# Altium PCB Napelemes_inverter.PcbDoc (part 1 of 3) (continued)
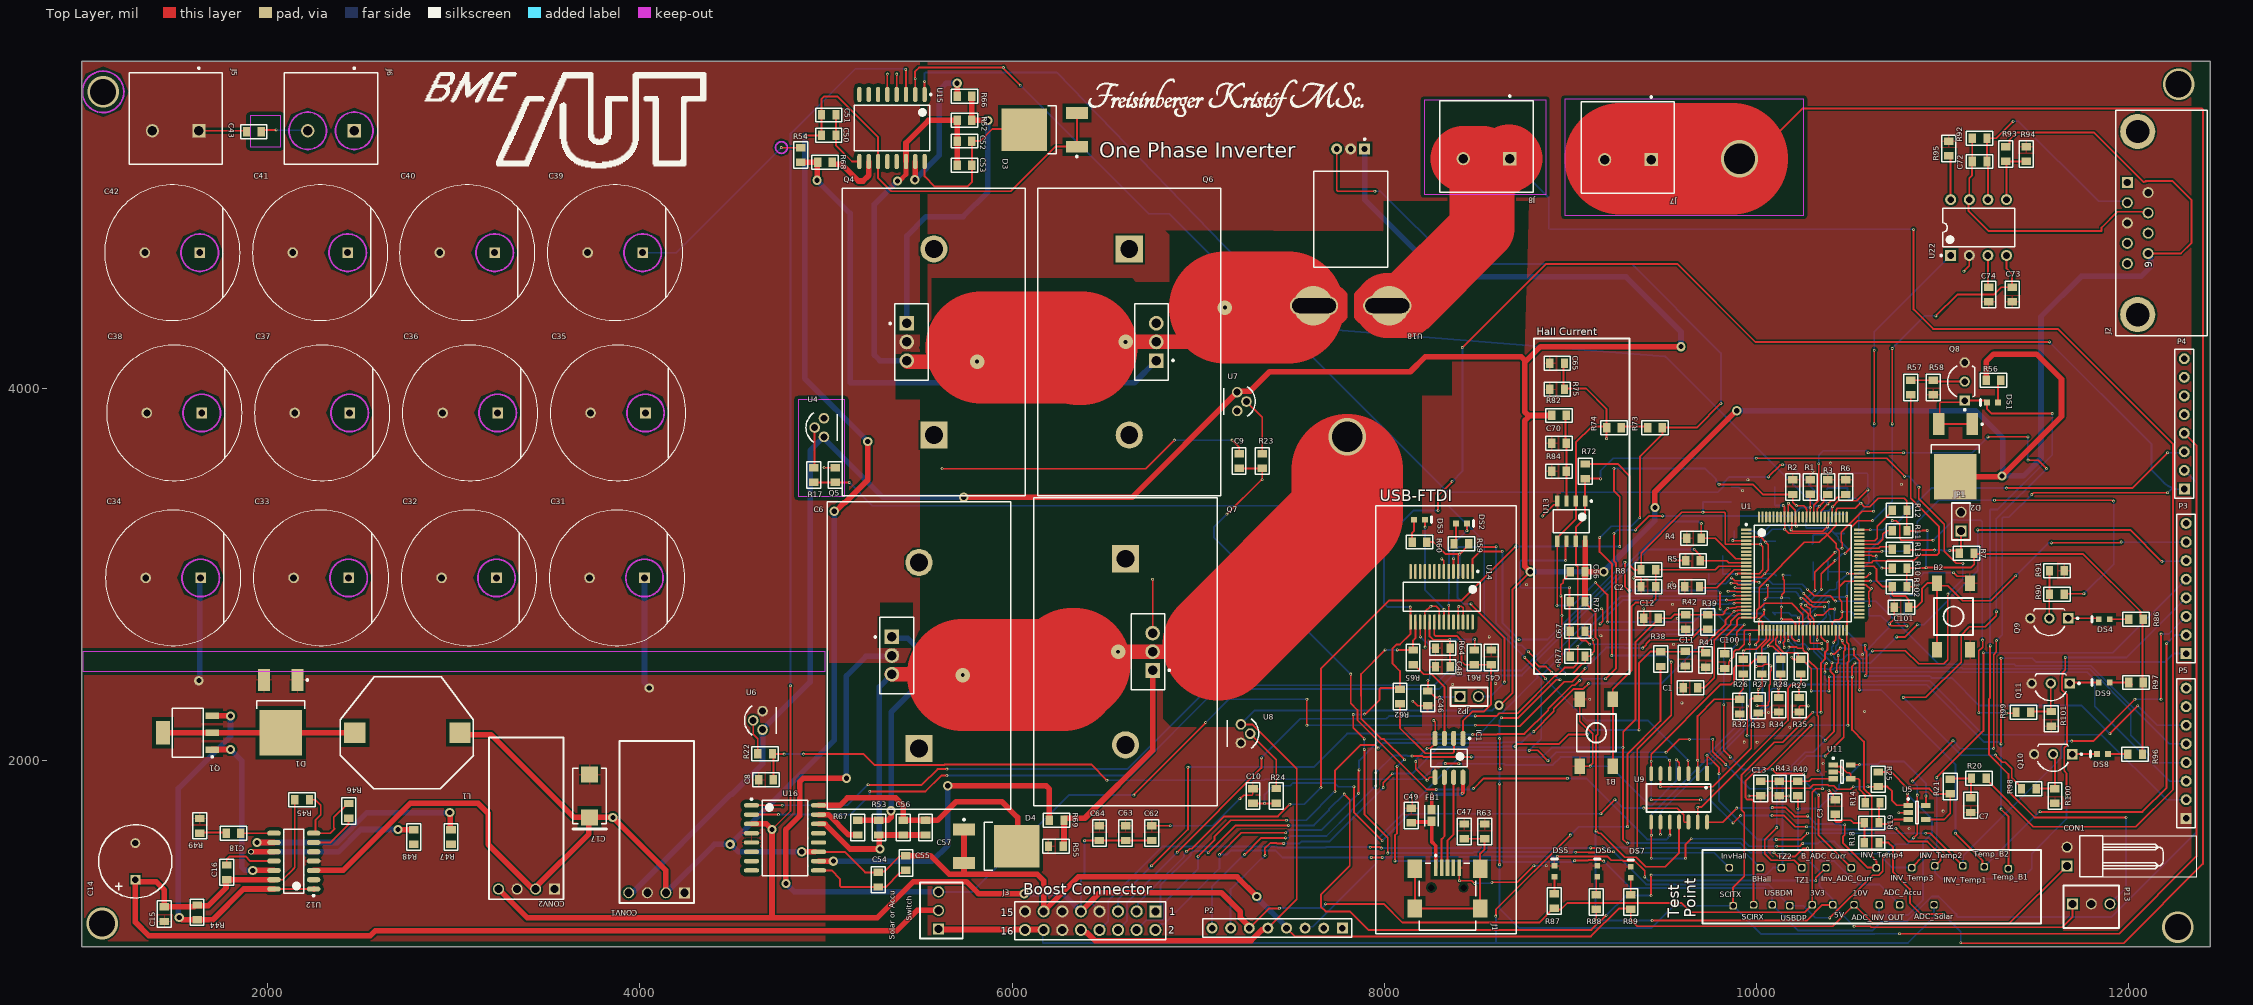
[diagram p0: Top Layer view]
## Components (designator, comment, footprint, x,y, rotation, side; value= is the part's Value field where it differs from the comment) (continued)
R96 "680R" FP_0805_RES 12035.63,2035 r0 top
R97 "680R" FP_0805_RES 12040,2420 r0 top
R98 "1K" FP_0805_RES 11464.37,1850 r0 top
R99 "1K" FP_0805_RES 11435,2260 r0 top
R100 "1K" FP_0805_RES 11605,1810 r90 top
R101 "1K" FP_0805_RES 11585,2225 r90 top
R102 "1K" FP_0805_RES 10770,2935 r0 top
SCIRX "TestPoint" Test_Point#15 9985,1225 r90 top (schematic designator TP9)
SCITX "TestPoint" Test_Point#16 9875,1220 r90 top (schematic designator TP10)
"Solar or Accu" "Comment" FP_CONN3_TAP_254MM 5605,1095 r0 top
Temp_B1 "TestPoint" Test_Point#17 11355,1420 r90 top (schematic designator TP11)
Temp_B2 "TestPoint" Test_Point#18 11225,1430 r90 top (schematic designator TP12)
TZ1 "TestPoint" Test_Point#19 10245,1425 r90 top (schematic designator TP19)
TZ2 "TestPoint" Test_Point#20 10135,1425 r90 top (schematic designator TP20)
U1 "TMS320F28069PZT" PZ0100A_N 10249.8,3005 r0 top
U4 "MCP9700-E/TO" FP-C04-101-MFG 4978.13,3790.19 r0 top
U5 "MCP6001RT-I/OT" SOT-23-OT5_M 10864,1721 r0 top
U6 "MCP9700-E/TO" FP-C04-101-MFG 4647.91,2216.33 r0 top
U7 "MCP9700-E/TO" FP-C04-101-MFG 7221.25,3930 r180 top
U8 "MCP9700-E/TO" FP-C04-101-MFG 7241.25,2145 r180 top
U9 "LM324M" FP_SOIC14 9735,1930 r180 top
U11 "MCP6001RT-I/OT" SOT-23-OT5_M 10460.24,1940 r0 top
U12 "TLE6389-2G V50" INF-PG-DSO-14-1_M 2140,1460.24 r180 top
U13 "LM393DR2G" ONSC-SOIC-8-751-07_V 9005,3287.13 r270 top
U14 "FTDI" SSOP-28_N 8308.52,2881 r270 top
U15 "2EDS8265HXUMA2" EXAR-WSOIC-16_N 5355,5400 r270 top
U16 "2EDS8265HXUMA2" EXAR-WSOIC-16_N 4780,1585 r0 top
U18 "ACS758LCB-050B-PFF-T" FP-CB-5-PFF-MFG 7820,4910 r180 top
U22 "MCP2551-I/P" PDIP300-P8 11194.57,4865 r90 top
USBDM "TestPoint" Test_Point#21 10085,1225 r90 top (schematic designator TP8)
USBDP "TestPoint" Test_Point#22 10180,1220 r90 top (schematic designator TP7)

## Footprints (in the part's own frame and the unit in brackets; to place one, negate y for a bottom-side part, rotate by r counter-clockwise, add the part's x,y. Pads: shape width x height; smd on the part's side, far side on the other; paste and mask are expansions set on the pad)
61301621121 [mm] "Pin Header, pitch 2.54 mm, THT, Vertical, dual row, 16p"
  rect 1.65x1.65 hole 1.1: 1(-8.89,-1.27)
  round 1.65 hole 1.1: 2(-8.89,1.27) 3(-6.35,-1.27) 4(-6.35,1.27) 5(-3.81,-1.27) 6(-3.81,1.27) 7(-1.27,-1.27) 8(-1.27,1.27) 9(1.27,-1.27) 10(1.27,1.27) 11(3.81,-1.27) 12(3.81,1.27) 13(6.35,-1.27) 14(6.35,1.27) 15(8.89,-1.27) 16(8.89,1.27)
  silkscreen extent -10.31,-2.62 10.31,2.62, body extent -10.16,-2.54 10.16,2.54, height 8.59
618009231121 [mm] "9 pins, right angled, 8.08mm, with hex screw"
  rect 1.5x1.5 hole 1: 1(5.54,4.67)
  round 1.5 hole 1: 2(2.77,4.67) 3(0,4.67) 4(-2.77,4.67) 5(-5.54,4.67) 6(4.155,1.83) 7(1.385,1.83) 8(-1.385,1.83) 9(-4.155,1.83)
  round 4.8 hole 3.2: M1(-12.5,3.25) M2(12.5,3.25)
  silkscreen extent -15.4,-6.25 15.4,6.25, body extent -15.4,-12.25 15.4,6.25, height 12.55
AVAG-HSMX-C190_V [mm] "SMD, 2-Leads, Body 1.6x0.8mm, Height 0.9mm"
  rect 0.8x0.8 smd: 1(-0.75,0) 2(0.75,0)
  silkscreen extent 1.65,-0.4 1.65,0.4, body extent -0.8,-0.4 0.8,0.4, height 0.9
Buck_STDN-3A24-ADJ [mm] "4×1 tüskesor"
  rect 1.5x1.5 hole 1.1: 1(0,-3.937)
  round 1.5 hole 1.1: 2(0,-1.397) 3(0,1.143) 4(0,3.683)
  silkscreen extent -1.4,-5.21 20.7,4.96, body extent -1.27,-5.21 1.27,4.95, height 8.54
EXAR-WSOIC-16_N [mm] "SOIC, 16-Leads, Body 10.30x7.50mm, Pitch 1.27mm, IPC Medium Density"
  oval 2.1x0.6 smd: 1(-4.575,4.445) 2(-4.575,3.175) 3(-4.575,1.905) 4(-4.575,0.635) 5(-4.575,-0.635) 6(-4.575,-1.905) 7(-4.575,-3.175) 8(-4.575,-4.445) 9(4.575,-4.445) 10(4.575,-3.175) 11(4.575,-1.905) 12(4.575,-0.635) 13(4.575,0.635) 14(4.575,1.905) 15(4.575,3.175) 16(4.575,4.445)
  silkscreen extent -4.7,-5.15 3.13,5.42, body extent -3.75,-5.15 3.75,5.15, height 2.65
FCI-10033526-N3212LF_V [mm] "SMD, 5-Leads, Body 9.2x7.7mm, Pitch 0.8mm"
  rect 0.5x2.25 smd: 1(-1.6,2.788) 2(-0.8,2.788) 3(0,2.788) 4(0.8,2.788) 5(1.6,2.788)
  rect 2x2.5 smd: 6(-4.45,2.663) 7(4.45,2.663) 8(-4.45,-2.787) 9(4.45,-2.787)
  round 0 hole 0.9 unplated: MH1(-2.2,0.083) MH2(2.2,0.083)
  silkscreen extent -3.85,-5.77 3.85,4.59, body extent -4.95,-5.77 4.95,3.63, height 4.02
FP-BLM18-0_15-t0_5-IPC_A [mil]
  rect 51.42x41.66 smd paste+0 mask+0: 1(-30.55,0) 2(30.55,0)
  silkscreen extent -56,-37 56,37, body extent -76,-41 76,41, height 10
FP-C04-101-MFG [mm]
  round 1.45 hole 0.95 paste-1000 mask+0: 1(0.286,-1.27) 2(-0.984,0) 3(0.286,1.27)
  silkscreen extent -2.17,-2.01 2.13,2.01
FP-CB-5-PFF-MFG [mm]
  rect 1.5x1.5 hole 0.8 paste-1000 mask+0: 1(-1.91,-9.59)
  round 1.5 hole 0.8 paste-1000 mask+0: 2(0,-9.59) 3(1.91,-9.59)
  rrect100% 6.6x2.6 hole 2 slot 6 at 0 deg paste-1000 mask+0: 4(5,11.809) 5(-5,11.809)
  round 5.4 smd paste-1000 mask+0: 4(5.099,11.809) 5(-5.25,11.809)
  round 5.4 smd far side paste-1000 mask+0: 4(5.099,11.809) 5(-5.25,11.809)
  Top Layer region: -0.5,10.151 -1.581,9.166 -3,8.81 -3,8.81 -7,8.809 -8.302,9.107 -9.345,9.939 -9.925,11.142 -9.925,12.477 -9.345,13.68 -8.302,14.512 -7,14.809 -7,14.81 -3,14.81 -1.581,14.453 -0.5,13.468 -0.5,13.468
  Top Layer region: 0.5,13.468 1.581,14.453 3,14.809 3,14.809 7,14.81 8.302,14.512 9.345,13.68 9.925,12.477 9.925,11.142 9.345,9.939 8.302,9.107 7,8.809 7,8.809 3,8.809 1.581,9.166 0.5,10.151 0.5,10.151
  silkscreen extent -5.05,-11.04 5.05,6.55, body extent -10.1,-10.44 10.1,14.91, height 0.25
FP-LXW18X25-MFG [mm]
  rect 1.45x1.45 hole 0.95 paste-1000 mask+0: 1(-3.75,0)
  round 1.45 hole 0.95 paste-1000 mask+0: 2(3.75,0)
  silkscreen extent -9.25,-9.25 9.25,9.25, body extent -9.35,-9.35 9.35,9.35, height 0.25
FP-TO-220AB-MFG [mm]
  rect 2x2 hole 1.3 paste-1000 mask+0: 1(-0.647,2.55)
  rect 3.7x3.7 hole 2.45 paste-1000 mask+0: 1(3.048,-12.7)
  round 2 hole 1.3 paste-1000 mask+0: 2(-0.647,0) 3(-0.647,-2.55)
  round 3.7 hole 2.45 paste-1000 mask+0: 2(3.048,12.7)
  Top Layer region: 12.816,-13.418 12.816,-13.418 12.816,-13.418 12.816,-13.418
  Top Layer region: 12.816,-13.418 12.816,-13.418 12.816,-13.418 12.816,-13.418
  Top Layer region: 12.816,-13.418 12.816,-13.418 12.816,-13.418 12.816,-13.418
  silkscreen extent -9.45,-21 15.55,21, body extent -9.55,-21.1 15.65,21.1, height 0.25
FP_0805_CAP_085 [mm] "0805 kapacitás YAGEO 0.85mm magas"
  rect 1x1.3 smd: 1(-1,0) 2(1,0)
  silkscreen extent -1.8,-0.95 1.8,0.95, body extent -1,-0.64 1.03,0.64, height 0.85
FP_0805_RES [mm] "0805 ellenállás"
  rect 1x1.3 smd: 1(-1,0) 2(1,0)
  silkscreen extent -1.8,-0.95 1.8,0.95, body extent -1,-0.62 1,0.63, height 0.62
FP_BTN_SMD [mm] "SMD Push Button 6x6mm"
  rect 1.4x2.1 smd: 1(2.25,4.55) 2(2.25,-4.55) 3(-2.25,4.55) 4(-2.25,-4.55)
  silkscreen extent -2.67,-2.54 2.67,2.54, body extent -3,-5 3,5, height 5.1
FP_CONN2_TAP_254MM_90 [mm] "fekvõ két pólusú tápcsatlakozó 2.54mm"
  rect 1.5x1.5 hole 1.1: 1(0,0)
  round 1.5 hole 1.1: 2(0,2.54)
  silkscreen extent 1.7,-1.53 17.7,4.07, body extent -0.33,-1.3 13.5,3.78, height 5.8
FP_CONN2_TUSKE_254MM [mm] "2×1 tüskesor"
  rect 1.5x1.5 hole 1.1: 1(0,0)
  round 1.5 hole 1.1: 2(0,2.54)
  silkscreen extent -1.27,-1.27 1.27,3.81, body extent -1.27,-1.27 1.27,3.81, height 8.54
FP_CONN3_TAP_254MM [mm] "álló három pólusú tápcsatlakozó 2.54mm"
  rect 1.5x1.5 hole 1.1: 1(0,0)
  round 1.5 hole 1.1: 2(0,2.54) 3(0,5.08)
  silkscreen extent -2.54,-1.27 3.3,6.35, body extent -2.52,-1.27 3.28,6.35, height 11.56
FP_SOIC14 [mil] "SOIC-14 egyesek szerint narrow, RET szerint normál"
  rect 20x80 smd: 1(0,0)
  oval 20x80 smd: 2(50,0) 3(100,0) 4(150,0) 5(200,0) 6(250,0) 7(300,0) 8(300,260) 9(250,260) 10(200,260) 11(150,260) 12(100,260) 13(50,260) 14(0,260)
  silkscreen extent -20,55 325,205, body extent -22,10 322,248, height 63
HDR1X8 [mm] "Connector; Header; 8 Position"
  rect 1.5x1.5 hole 0.9: 1(0,0)
  round 1.5 hole 0.9: 2(2.54,0) 3(5.08,0) 4(7.62,0) 5(10.16,0) 6(12.7,0) 7(15.24,0) 8(17.78,0)
  silkscreen extent -1.27,-1.27 19.05,1.27
"INF-P-DSO-8-3_M - duplicate1" [mm] "SOP, 8-Leads, Body 4.9x3.9mm, Pitch 1.27mm, IPC Low Density"
  oval 2.1x0.7 smd: 1(-2.65,1.905) 2(-2.65,0.635) 3(-2.65,-0.635) 4(-2.65,-1.905) 5(2.65,-1.905) 6(2.65,-0.635) 7(2.65,0.635) 8(2.65,1.905)
  silkscreen extent -2.77,-2.5 1.2,2.93, body extent -2,-2.5 2,2.5, height 1.75
INF-PG-DSO-14-1_M [mm] "SOP, 14-Leads, Body 8.65x3.9mm, Pitch 1.27mm, IPC Low Density"
  oval 1.85x0.7 smd: 1(-2.7,3.81) 2(-2.7,2.54) 3(-2.7,1.27) 4(-2.7,0) 5(-2.7,-1.27) 6(-2.7,-2.54) 7(-2.7,-3.81) 8(2.7,-3.81) 9(2.7,-2.54) 10(2.7,-1.27) 11(2.7,0) 12(2.7,1.27) 13(2.7,2.54) 14(2.7,3.81)
  silkscreen extent -2.83,-4.38 1.38,4.83, body extent -2,-4.38 2,4.38, height 1.75
INF-PG-SOT223_SC-73_M [mm] "SOT223, 4-Leads, Body 6.5x3.5mm, Pitch 2.3mm, IPC Low Density"
  rect 1.9x0.9 smd: 1(-3.35,2.3) 2(-3.35,0) 3(-3.35,-2.3)
  rect 1.9x3.2 smd: 4(3.35,0)
  silkscreen extent -3.48,-3.35 2.1,3.42, body extent -1.85,-3.35 1.85,3.35, height 1.8
KEMT-7343-43_L [mm] "Molded Capacitor, 2-Leads, Body 7.6x4.6mm, IPC High Density"
  rect 2.2x2.35 smd: 1(-2.925,0) 2(2.925,0)
  silkscreen extent -4.52,-2.3 3.8,2.3, body extent -3.8,-2.3 3.8,2.3, height 4.3
NIC-UVR-10x12.5-2_V [mm] "TH, 2-Leads, Dia 10mm, Body Length 14mm, Pitch 5mm"
  rect 1.35x1.35 hole 0.85: 1(-2.5,0)
  round 1.35 hole 0.85: 2(2.5,0)
  silkscreen extent -5,-5 5,5, body extent -5,-5 5,5, height 14
ONSC-DPAK-3-369C-01_V [mm] "DPAK, 3-Leads, Body 6.54x6.095mm, Pitch 2.29mm"
  rect 3x1.6 smd: 1(-4.4,2.29) 3(-4.4,-2.29)
  rect 6.2x5.8 smd: 4(2.8,0)
  silkscreen extent -4.52,-3.27 -0.45,3.77, body extent -1.6,-3.27 4.49,3.27, height 2.38
ONSC-SOIC-8-751-07_V [mm] "SOIC, 8-Leads, Body 4.9x3.9mm, Pitch 1.27mm"
  rect 1.52x0.6 smd: 1(-2.74,1.905) 2(-2.74,0.635) 3(-2.74,-0.635) 4(-2.74,-1.905) 5(2.74,-1.905) 6(2.74,-0.635) 7(2.74,0.635) 8(2.74,1.905)
  silkscreen extent -2.86,-2.45 1.58,2.88, body extent -1.95,-2.45 1.95,2.45, height 1.75
ONSC-TO-92-3-29-11_AM_BL [mm] "TO, 3-Leads, Body Dia 4.7mm, Pitch 2.6mm"
  rect 1.4x1.4 hole 0.9: 1(-2.6,0)
  round 1.4 hole 0.9: 2(0,0) 3(2.6,0)
  silkscreen extent -3.97,-1.34 2.13,2.35, body extent -2.84,-1.34 2.84,2.35, height 5.33
PDIP300-P8 [mm] "8-Pin Plastic Dual In-Line Package (PDIP)"
  rect 1.5x1.5 hole 0.9: 1(-3.81,3.81)
  round 1.5 hole 0.9: 2(-3.81,1.27) 3(-3.81,-1.27) 4(-3.81,-3.81) 5(3.81,-3.81) 6(3.81,-1.27) 7(3.81,1.27) 8(3.81,3.81)
  silkscreen extent -3.93,-4.9 2.65,5.23, body extent -3.55,-4.9 3.55,4.9, height 4.32
PZ0100A_N [mm] "QFP,100-Leads, Body 14x14mm, Pitch 0.5mm, IPC Medium Density"
  rrect33% 1.45x0.3 smd: 1(-7.725,6) 2(-7.725,5.5) 3(-7.725,5) 4(-7.725,4.5) 5(-7.725,4) 6(-7.725,3.5) 7(-7.725,3) 8(-7.725,2.5) 9(-7.725,2) 10(-7.725,1.5) 11(-7.725,1) 12(-7.725,0.5) 13(-7.725,0) 14(-7.725,-0.5) 15(-7.725,-1) 16(-7.725,-1.5) 17(-7.725,-2) 18(-7.725,-2.5) 19(-7.725,-3) 20(-7.725,-3.5) 21(-7.725,-4) 22(-7.725,-4.5) 23(-7.725,-5) 24(-7.725,-5.5) 25(-7.725,-6) 51(7.725,-6) 52(7.725,-5.5) 53(7.725,-5) 54(7.725,-4.5) 55(7.725,-4) 56(7.725,-3.5) 57(7.725,-3) 58(7.725,-2.5) 59(7.725,-2) 60(7.725,-1.5) 61(7.725,-1) 62(7.725,-0.5) 63(7.725,0) 64(7.725,0.5) 65(7.725,1) 66(7.725,1.5) 67(7.725,2) 68(7.725,2.5) 69(7.725,3) 70(7.725,3.5) 71(7.725,4) 72(7.725,4.5) 73(7.725,5) 74(7.725,5.5) 75(7.725,6)
  rrect33% 0.3x1.45 smd: 26(-6,-7.725) 27(-5.5,-7.725) 28(-5,-7.725) 29(-4.5,-7.725) 30(-4,-7.725) 31(-3.5,-7.725) 32(-3,-7.725) 33(-2.5,-7.725) 34(-2,-7.725) 35(-1.5,-7.725) 36(-1,-7.725) 37(-0.5,-7.725) 38(0,-7.725) 39(0.5,-7.725) 40(1,-7.725) 41(1.5,-7.725) 42(2,-7.725) 43(2.5,-7.725) 44(3,-7.725) 45(3.5,-7.725) 46(4,-7.725) 47(4.5,-7.725) 48(5,-7.725) 49(5.5,-7.725) 50(6,-7.725) 76(6,7.725) 77(5.5,7.725) 78(5,7.725) 79(4.5,7.725) 80(4,7.725) 81(3.5,7.725) 82(3,7.725) 83(2.5,7.725) 84(2,7.725) 85(1.5,7.725) 86(1,7.725) 87(0.5,7.725) 88(0,7.725) 89(-0.5,7.725) 90(-1,7.725) 91(-1.5,7.725) 92(-2,7.725) 93(-2.5,7.725) 94(-3,7.725) 95(-3.5,7.725) 96(-4,7.725) 97(-4.5,7.725) 98(-5,7.725) 99(-5.5,7.725) 100(-6,7.725)
  silkscreen extent -7.85,-6.6 6.6,6.82, body extent -8,-8 8,8, height 1.6
SOT-23-OT5_M [mm] "SOT23, 5-Leads, Body 2.9x1.7mm, Pitch 0.95mm, Lead Span 2.8mm, IPC Low Density"
  rect 1.3x0.7 smd: 1(-1.2,0.95) 2(-1.2,0) 3(-1.2,-0.95) 4(1.2,-0.95) 5(1.2,0.95)
  silkscreen extent -1.32,-1.55 0.15,1.97, body extent -0.9,-1.55 0.9,1.55, height 1.45
SSOP-28_N [mm] "SOP, 28-Leads, Body 10.2x5.3mm, Pitch 0.65mm, IPC Medium Density"
  oval 2.1x0.35 smd: 1(-3.45,4.225) 2(-3.45,3.575) 3(-3.45,2.925) 4(-3.45,2.275) 5(-3.45,1.625) 6(-3.45,0.975) 7(-3.45,0.325) 8(-3.45,-0.325) 9(-3.45,-0.975) 10(-3.45,-1.625) 11(-3.45,-2.275) 12(-3.45,-2.925) 13(-3.45,-3.575) 14(-3.45,-4.225) 15(3.45,-4.225) 16(3.45,-3.575) 17(3.45,-2.925) 18(3.45,-2.275) 19(3.45,-1.625) 20(3.45,-0.975) 21(3.45,-0.325) 22(3.45,0.325) 23(3.45,0.975) 24(3.45,1.625) 25(3.45,2.275) 26(3.45,2.925) 27(3.45,3.575) 28(3.45,4.225)
  silkscreen extent -3.57,-5.25 2,5.25, body extent -2.8,-5.25 2.8,5.25, height 2
"Tekercs_B82479-A1473-M - duplicate" [mm]
  rect 2.92x2.85 smd: 1(-7.19,0) 2(7.19,0)
  silkscreen extent -9.18,-7.62 9.05,7.62
Terminal-PHOE-1714955_V [mm] "Terminal Block, 2-Leads, Body 12.7x12.5mm, Pitch 6.35mm"
  rect 1.8x1.8 hole 1.3: 1(-3.175,0)
  round 1.8 hole 1.3: 2(3.175,0)
  silkscreen extent -6.35,-8.67 6.35,4.6, body extent -6.92,-7.9 6.35,4.6, height 21.51
Test_Point#1 [mil]
  rrect50% 40x40 hole 30: 6(0,0)
Test_Point#2 [mil]
  rrect50% 40x40 hole 30: 5(0,0)
Test_Point#3 [mil]
  rrect50% 40x40 hole 30: 4(0,0)
Test_Point#4 [mil]
  rrect50% 40x40 hole 30: 2(0,0)
Test_Point#5 [mil]
  rrect50% 40x40 hole 30: 3(0,0)
Test_Point#6 [mil]
  rrect50% 40x40 hole 30: 1(0,0)
Test_Point#7 [mil]
  rrect50% 40x40 hole 30: 18(0,0)
Test_Point#8 [mil]
  rrect50% 40x40 hole 30: 21(0,0)
Test_Point#9 [mil]
  rrect50% 40x40 hole 30: 17(0,0)
Test_Point#10 [mil]
  rrect50% 40x40 hole 30: 13(0,0)
Test_Point#11 [mil]
  rrect50% 40x40 hole 30: 14(0,0)
Test_Point#12 [mil]
  rrect50% 40x40 hole 30: 15(0,0)
Test_Point#13 [mil]
  rrect50% 40x40 hole 30: 16(0,0)
Test_Point#14 [mil]
  rrect50% 40x40 hole 30: 23(0,0)
Test_Point#15 [mil]
  rrect50% 40x40 hole 30: 9(0,0)
Test_Point#16 [mil]
  rrect50% 40x40 hole 30: 10(0,0)
Test_Point#17 [mil]
  rrect50% 40x40 hole 30: 11(0,0)
Test_Point#18 [mil]
  rrect50% 40x40 hole 30: 12(0,0)
Test_Point#19 [mil]
  rrect50% 40x40 hole 30: 19(0,0)
Test_Point#20 [mil]
  rrect50% 40x40 hole 30: 20(0,0)
Test_Point#21 [mil]
  rrect50% 40x40 hole 30: 8(0,0)
Test_Point#22 [mil]
  rrect50% 40x40 hole 30: 7(0,0)

## Part data
3V3 5V 10V ADC_Accu ADC_INV_OUT ADC_Solar B_ADC_Curr BHall Inv_ADC_Curr INV_Temp1 INV_Temp2 INV_Temp3 INV_Temp4 InvHall SCIRX SCITX Temp_B1 Temp_B2 TZ1 TZ2 USBDM USBDP: "Test Point"
B1 B2: library part "Button 4P", "Push button"
C1 C2 C3 C6 C7 C8 C9 C10 C11 C12 C13 C15 C16 C18 C43 C45 C46 C47 C48 C49 C50 C51 C52 C53 C54 C55 C56 C57 C62 C63 C64 C65 C66 C67 C70 C72 C73 C74 C75 C76 C77 C78 C79 C80 C81 C82 C83 C84 C85 C86 C87 C88 C89 C90 C91 C92 C93 C94 C95 C96 C97 C98 C99 C100 C101: library part CAP, "Capacitor"
C14: library part CMP-1217-00001-1, "Aluminum Electrolytic Capacitor, 63 V, -40 to 85 degC, 2-Pin CAP, RoHS", Capacitance Tolerance=+/-20%, Manufacturer=Nichicon, Operating Temperature="-40 to 85 degC", PartNumber=UVR1J101MPD1TD, Rated Voltage="63 V", ComponentLink1Description="Manufacturer URL", ComponentLink1URL=http://www.nichicon.co.jp/, ComponentLink2Description=Datasheet, ComponentLink2URL=https://il.farnell.com/teapo/ksy107m063s1g5h1ck/cap-100-f-63v-20/dp/2901348?st=100%20uf%20electrolyte%20capacitor, ComponentLink3Description="Package Specification", ComponentLink3URL=https://il.farnell.com/teapo/ksy107m063s1g5h1ck/cap-100-f-63v-20/dp/2901348?st=100%20uf%20electrolyte%20capacitor, DatasheetVersion=Sep-13, Mounting Technology="Through Hole", PackageDescription="2-Pin Through Hole Package, Dia 10 mm, Body Length 12.5 mm, Pitch 5 mm", Packing=Bulk, Rated Capacitance="100 uF", Rated Ripple@85 degC 120 Hz="300 mA", RoHS=TRUE
C17: library part CMP-2000-07204-1, "Tantalum Surface Mount Capacitor, 100 uF, 25 V, -55 to 125 degC, 2-Pin Molded, RoHS, Tape and Reel", Capacitance=100µF, ESR (Equivalent Series Resistance)=300mOhm, Lifetime @ Temp.=2000Hrs@85°C, Manufacturer=Kemet, Manufacturer Size Code=X, Operating Temperature=-55°C~125°C, Package / Case=2917(7343Metric), Package Description="2-Pin Molded Capacitor, Body 7.3 x 4.3 mm", Package Reference=Molded, Standard Package=1, Tolerance=±10%, Voltage - Rated=25V, Category=Capacitors, Datasheet URL=https://ciiva.com/datasheet-click-3798150?src=ciiva&sig=eb1f20b4, Datasheet Version=12/2015, EDA / CAD Models=DownloadfromAcceleratedDesigns, Family=TantalumCapacitors, Features=GeneralPurpose, Height - Seated (Max)="0.169\"(4.30mm)", Lead Spacing=-, Manufacturer URL=http://www.kemet.com/, Mounting Technology=SurfaceMount, Mounting Type=SurfaceMount, Online Catalog=T491Series, Other Names=399-8410-6, Packaging=Digi-Reel®, Product Training Modules=CapacitorBasics-TypicalUsesforCapacitors, Series=T491, Size / Dimension="0.287\"Lx0.169\"W(7.30mmx4.30mm)", Type=Molded
C31 C32 C33 C34 C35 C36 C37 C38 C39 C40 C41 C42: library part CMP-35376-000008-1, "CAP ALUM 47UF 20% 500V THRUHOLE / 500LXW47MEFR18X25"
CON1: library part Connector_2pin, "2pin connector", Reference=100.240.80, Supplier=hestore
D1 D2 D3 D4: library part CMP-1055-00192-1, "SWITCHMODE(TM) Power Rectifier, 3-Pin DPAK, Pb-Free, Tape and Reel", Manufacturer="On Semiconductor", ComponentLink1Description="Manufacturer URL", ComponentLink1URL=http://www.onsemi.com/, ComponentLink2Description=Datasheet, ComponentLink2URL=http://www.onsemi.com/pub_link/Collateral/MBRD320-D.PDF, ComponentLink3Description="Package Specification", ComponentLink3URL=http://www.onsemi.cn/pub_link/Collateral/369C.PDF, Configuration=Single, DatasheetVersion="Rev. 8", IFSM Max (A)=75, Mounting Technology="Surface Mount", PackageDescription="3-Pin Flange Mount, Body 6.54 x 6.095 mm, Pitch 2.29 mm", PackageReference=DPAK-3-369C-01, PackageVersion="Rev. E, 02/2014", Packing="Tape and Reel", PartNumber=MBRD360T4G, RoHS=TRUE
DS1: library part LED_G_CMP-1744-00002-1_1, "Chip LED, Green, 2.2 V, -40 to 85 degC, 2-Pin SMD, RoHS, Tape and Reel", Case\Package=SOIC, Clock Frequency="100 KHz", Frequency="400 KHz", Max Operating Temperature="85 degC", Max Supply Voltage="5.5 V", Min Operating Temperature="-40 degC", Min Supply Voltage="1.7 V", Nominal Supply Current="2 mA", Package Quantity=3000, Access Time="3500 ns", ComponentLink1Description="Manufacturer URL", ComponentLink1URL=http://www.avagotech.com/, ComponentLink2Description=Datasheet, ComponentLink2URL=http://docs.avagotech.com/docs/AV02-0551EN, ComponentLink3Description="Package Specification", ComponentLink3URL=http://www.fairchildsemi.com/dwg/MA/MA03D.pdf, DatasheetVersion=Mar-12, Density="32 kb", Height="1.5 mm", Interface=Serial, Length="5 mm", Max Clock Frequency="100 KHz", Mount="Surface Mount", PackageDescription="2-Pin Surface Mount Device, Body 1.6 x 0.8 mm, Height 0.9 mm", PackageReference=HSMX-C190, Packaging="Tape and Reel", Pins=8, Radiation Hardening=No, REACH SVHC="No SVHC", RoHSCompliant=true, Width="4 mm"
DS2 DS5 DS6 DS7: library part LED_G_CMP-1744-00002-1, "Chip LED, Green, 2.2 V, -40 to 85 degC, 2-Pin SMD, RoHS, Tape and Reel", Case\Package=SOIC, Clock Frequency="100 KHz", Frequency="400 KHz", Max Operating Temperature="85 degC", Max Supply Voltage="5.5 V", Min Operating Temperature="-40 degC", Min Supply Voltage="1.7 V", Nominal Supply Current="2 mA", Package Quantity=3000, Access Time="3500 ns", ComponentLink1Description="Manufacturer URL", ComponentLink1URL=http://www.avagotech.com/, ComponentLink2Description=Datasheet, ComponentLink2URL=http://docs.avagotech.com/docs/AV02-0551EN, ComponentLink3Description="Package Specification", ComponentLink3URL=http://www.fairchildsemi.com/dwg/MA/MA03D.pdf, DatasheetVersion=Mar-12, Density="32 kb", Height="1.5 mm", Interface=Serial, Length="5 mm", Max Clock Frequency="100 KHz", Mount="Surface Mount", PackageDescription="2-Pin Surface Mount Device, Body 1.6 x 0.8 mm, Height 0.9 mm", PackageReference=HSMX-C190, Packaging="Tape and Reel", Pins=8, Radiation Hardening=No, REACH SVHC="No SVHC", RoHSCompliant=true, Width="4 mm"
DS3 DS4 DS8 DS9: library part RED-CMP-2000-06427-1, "LED Uni-Color Red, 52 mW, 20 mA, -40 to 85 degC, 2-Pin SMD, RoHS, Tape and Reel", Emitting Color=Red, Forward Current=25mA, Forward Voltage=2.6V, Manufacturer=Avago, Operating Temp Range=-40Cto85C, Operating Temperature Classification=Industrial, Package Description="2-Pin Surface Mount Device, Body 1.6 x 0.8 mm, Height 0.9 mm", Package Reference=HSMX-C190, Package Type=ChipLed, Power Dissipation=52W, Reverse Voltage=5V, Test Current (It)=20mA, Chip Material=GaP, Datasheet URL=http://docs.avagotech.com/docs/AV02-0551EN, Datasheet Version=03/2012, DELETED=Compliant, Dominant Wave Length=626nm, High Brightness=No, Lens Dimensions=1x0.8x0.5mm, Lens Type=ColorlessDiffused, Lum Intensity=10mcd, Luminous Intensity=10mcd, Main Category=ChipLED, Manufacturer URL=http://www.avagotech.com/, Mounting=SurfaceMount, Mounting Technology=SurfaceMount, Number of  Elements=1, Packaging=TapeandReel, Peak Wavelength=630nm, Pin Count=2, Product Depth (mm)=0.8mm, Product Height (mm)=0.8mm, Product Length (mm)=1.6mm, Rad Hardened=No, Shape Type=Rectangular, Type=Uni-Color, Viewing Angle=170deg
FB1: library part CMP-0686-00596-3, "Chip Ferrite Bead, 0603, 220Ω @ 100MHz, 25%, 0.04Ω, 2.5A", Case Code (Imperial)=0603, Case Code (Metric)=1608, Current Rating=2.5A, DC Resistance (DCR)=40mR, Max Operating Temperature=125°C, Min Operating Temperature=-55°C, Package Quantity=1, Test Frequency=100MHz, Tolerance=25%, Case/Package=0603, Core Material=Ferrite, DC Current=2.5A, DC Resistance-Max=40mR, Depth=0.95mm, Height=0.8mm, Impedance=220R, Lead Free="Lead Free", Length=1.6mm, Material=Ferrite, Max Current Rating=2.5A, Max DC Current=2.5A, Number of Circuits=1, Number of Lines=1, Number of Pins=2, Packaging="Tape and Reel", Radiation Hardening=No, REACH SVHC="No SVHC", RoHS Compliant=Yes, Series=BLM18S, Termination=SMD/SMT, Weight=7.1E-05oz, Width=0.8mm
IC1: "Clamp Ipp Tvs Diode Surface Mount 8-SO", Package="SOIC-8 STMicroelectronics", Availability=Unavailable, MF=STMicroelectronics, MP=USB6B1, Price=None, SnapEDA_Link=https://www.snapeda.com/parts/USB6B1/STMicroelectronics/view-part/51146/?ref=snap
J1: library part USB_MIN_CMP-1698-00001-3, "Mini USB B-Type, 5-Pin SMD, RoHS, Tape and Reel / 10033526-N3212LF", Package Quantity=1, PartNumber=10033526-N3212LF, ComponentLink1Description="Manufacturer URL", ComponentLink1URL=http://portal.fciconnect.com/, ComponentLink2Description=Datasheet, ComponentLink2URL=http://portal.fciconnect.com/Comergent//fci/drawing/10033526.pdf, DatasheetVersion="Rev. N", Height="4 mm", Length="9.9 mm", Mount="Surface Mount", Mounting Technology="Surface Mount", PackageDescription="5-Pin Surface Mount Device, Body 9.2 x 7.7 mm, Pitch 0.8 mm", Packaging="Tape and Reel", Pins=5, RoHSCompliant=True
J2: library part CMP-1502-00200-1, "Female PCB Connector with Hex Screw WR-DSUB, 8.08 mm, Angled, 9 pins", Contact Resistance=30mOhm, Manufacturer="Wurth Elektronik", Operating Temperature=-40to85degC, Rated Current=3A, Working Voltage=125VAC, Datasheet URL=https://katalog.we-online.de/em/datasheet/6180xx231121.pdf, Gender=Female, Manufacturer URL=http://www.we-online.de, Mounting Technology=THT, Orientation=Angled, Package Reference=618009231121, Packaging=Tray, Part Number=618009231121, Pin Number=9, Publisher=WurthElektronik
J3: library part CMP-1502-01097-1, "THT Vertical Pin Header WR-PHD, Pitch 2.54 mm, Dual Row, 16 pins", Contact Resistance=20mOhm, Manufacturer="Wurth Elektronik", Operating Temperature=-40to105degC, Rated Current=3A, Withstanding Voltage=500VAC, Working Voltage=250VAC, Datasheet URL=https://katalog.we-online.de/em/datasheet/6130xx21121.pdf, Gender=Male, Manufacturer URL=http://www.we-online.de, Mounting Technology=THT, Orientation=Vertical, Package Reference=61301621121, Packaging=Bag, Part Number=61301621121, Pin Number=16, Pitch=2.54mm, Publisher=WurthElektronik, Row Number=Dual
J5 J6 J7 J8: library part Terminal-CMP-2000-05797-1, "PC Terminal Block, Pitch 6.35 mm, 1 x 2 Position, Height 21.5 mm, Tail Lenght 5.1 mm, RoHS, Bulk", Manufacturer="Phoenix Contact", Package Description="PC Terminal Block, Pitch 6.35 mm, 1 x 2 Position, Height 21.5 mm, Tail Lenght 5.1 mm", Datasheet URL=http://media.digikey.com/pdf/Data%20Sheets/Phoenix%20Contact%20PDFs/1714955.pdf, Datasheet Version=02/2010, Manufacturer URL=http://www.phoenixcontact.com/, Mounting Technology=ThroughHole, Package Reference=1714955
JP1 JP2: "Jumper Wire"
L1: library part Inductor_B82479A1473M000, "Inductor Power Wirewound 47uH 20% 100KHz Ferrite 2.6A 87mOhm DCR Automotive T/R", Case/Package=SMD/SMT, Current Rating=2.6A, DC Resistance (DCR)=87mR, Inductance=47uH, Inductance Tolerance=20%, Inductor Type="POWER INDUCTOR", Manufacturer="TDK EPCOS", Manufacturer Part Number=B82479A1473M000, Max Operating Temperature=150°C, Min Operating Temperature=-55°C, Package Quantity=250, Saturation Current=4.5A, Self Resonant Frequency=100kHz, Category="Fixed Inductors", ComponentLink1Description=https://datasheet.ciiva.com/6692/b82479a1-6692885.pdf?src-supplier=Digi-Key, ComponentLink1URL=https://datasheet.ciiva.com/6692/b82479a1-6692885.pdf?src-supplier=Digi-Key, ComponentLink2Description=https://datasheet.ciiva.com/22683/1899175-22683671.pdf?src-supplier=Element14, ComponentLink2URL=https://datasheet.ciiva.com/22683/1899175-22683671.pdf?src-supplier=Element14, ComponentLink3Description=https://datasheet.ciiva.com/22683/1899175-22683672.pdf?src-supplier=Element14, ComponentLink3URL=https://datasheet.ciiva.com/22683/1899175-22683672.pdf?src-supplier=Element14, ComponentLink4Description=https://datasheet.ciiva.com/28652/b82479a1-28652056.pdf?src-supplier=Element14, ComponentLink4URL=https://datasheet.ciiva.com/28652/b82479a1-28652056.pdf?src-supplier=Element14, Core Material=Ferrite, DC Current=2.6A, Depth=15.24mm, Height=7.11mm, Lead Free="Lead Free", Length=18.54mm, Max DC Current=2.6A, Military Standard=Not, Mount="Surface Mount", Number of Pins=2, Packaging="Tape and Reel", REACH SVHC="No SVHC", RMS Current (Irms)=2.6A, RoHS=Yes, RoHS Compliant=Yes, Series=B82479A1, Shielding=Unshielded, Stock 1=25, Supplier 1=Farnell, Termination=SMD/SMT, Test Frequency=100kHz, Tolerance=20%, Weight=0.105822oz, Width=0.6inch
P2 P3 P4 P5: "Header, 8-Pin", LatestRevisionDate=17-Jul-2002, LatestRevisionNote="Re-released for DXP Platform.", Publisher="Altium Limited", Reference=100.240.95, Supplier=hestore
P13: library part Connector_3pin, "3pin connector"
Q1: library part CMP-1099-00021-1, "P-Channel SIPMOS Small-Signal-Transistor, -60 V VDS, -2.9 A ID, -55 to 150 degC, PG-SOT223 (SC-73), Reel, Green", Manufacturer=Infineon, ComponentLink1Description="Manufacturer URL", ComponentLink1URL=http://www.infineon.com/, ComponentLink2Description=Datasheet, ComponentLink2URL=http://www.infineon.com/dgdl/BSP613P_Rev2.7.pdf?folderId=db3a304314dca38901154a72e3951a65&fileId=db3a30433b47825b013b60ac86a96dc0, ComponentLink3Description="Package Specification", ComponentLink3URL=http://www.infineon.com/dgdl/SOT223-Package_Overview.pdf?folderId=db3a30431936bc4b0119530470b03c3d&fileId=db3a30431936bc4b0119531d40b93c5c, DatasheetVersion="Rev. 2.7", Green=TRUE, Halogen-free=TRUE, ID (max)="-2.9Â A", IDpuls (max)="-11.6Â A", Mode=Enhancement, Mounting Technology="Surface Mount", PackageDescription="4-Pin Small Outline Transistor Package, 6.5 x 3.5 mm Body, 2.3 mm Pitch", PackageReference="PG-SOT223 (SC-73)", PackageVersion=Apr-08, Packing=Reel, PartNumber=BSP613P, Polarity=P, Pto t (max)="1.8Â W", QG="-22Â nC", RDS (on) (max)="130Â mOhm", Rth="100Â K/W", Technology=SIPMOS, VDS (max)="-60Â V", VGS(th) (max)="-4Â V", VGS(th) (min)="-2.1Â V"
Q4 Q5 Q6 Q7: library part NMOS-2, "N-channel 100 V 8.5 mΩ standard level MOSFET in TO220", ComponentLink1Description="Manufacturer Link", ComponentLink1URL=http://www.irf.com/, DatasheetVersion=PD-9.814, LatestRevisionDate=17-Jul-2002, LatestRevisionNote="Re-released for DXP Platform.", Note="Pin 2 is electrically connected to pin 4.", PackageDescription="TO, Thru-Hole, Vertical, Heatsink Mounted; 3 In-Line Leads; Pitch 2.54 mm", PackageReference=TO-220AB, PackageVersion=Feb-1997, Published=8-Jun-2000, Publisher="Altium Limited"
Q8: library part CMP-1048-01603-1, "Amplifier Transistor, NPN Silicon, 3-Pin TO-92, Pb-Free, Tape and Reel", Manufacturer="On Semiconductor", ComponentLink1Description="Manufacturer URL", ComponentLink1URL=http://www.onsemi.com/, ComponentLink2Description=Datasheet, ComponentLink2URL=http://www.onsemi.com/pub_link/Collateral/BC546-D.PDF, ComponentLink3Description="Package Specification", ComponentLink3URL=http://www.onsemi.com/pub_link/Collateral/MAC97-D.PDF, DatasheetVersion="Rev. 7", fT Min (MHz)=150, IC Continuous (A)=0.1, Mounting Technology="Through Hole", PackageDescription="3-Pin Transistor Outline, Body 4.825 x 3.685 mm, Pitch 1.27 mm", PackageReference=TO-92-3-29-11_AM_BL, PackageVersion="Rev. AM", Packing="Tape and Reel", PartNumber=BC548BRL1G, Polarity=NPN, RoHS=TRUE
Q9 Q10 Q11: library part CMP-1048-01603-1, "Amplifier Transistor, NPN Silicon, 3-Pin TO-92, Pb-Free, Tape and Reel", Manufacturer="On Semiconductor", PartNumber=BC548BRL1G, ComponentLink1Description="Manufacturer URL", ComponentLink1URL=http://www.onsemi.com/, ComponentLink2Description=Datasheet, ComponentLink2URL=http://www.onsemi.com/pub_link/Collateral/BC546-D.PDF, ComponentLink3Description="Package Specification", ComponentLink3URL=http://www.onsemi.com/pub_link/Collateral/MAC97-D.PDF, DatasheetVersion="Rev. 7", fT Min (MHz)=150, IC Continuous (A)=0.1, Mounting Technology="Through Hole", PackageDescription="3-Pin Transistor Outline, Body 4.825 x 3.685 mm, Pitch 1.27 mm", PackageReference=TO-92-3-29-11_AM_BL, PackageVersion="Rev. AM", Packing="Tape and Reel", Polarity=NPN, RoHS=TRUE
R1 R2 R3 R4 R5 R6 R7 R8 R9 R10 R11 R12 R13 R14 R17 R18 R19 R20 R21 R22 R23 R24 R25 R26 R27 R28 R29 R32 R33 R34 R35 R38 R39 R40 R41 R42 R43 R44 R45 R46 R47 R48 R49 R52 R53 R54 R55 R56 R57 R58 R59 R60 R61 R62 R63 R64 R65 R66 R67 R68 R69 R72 R73 R74 R75 R76 R77 R82 R84 R86 R87 R88 R89 R90 R91 R92 R93 R94 R95 R96 R97 R98 R99 R100 R101 R102: library part RES, "Resistor"
U1: library part DSP_100_CMP-0546-00052-3, "Piccolo Microcontroller, High-Efficiency 32-Bit CPU, 100 KB, 90 MHz, FPU, VCU, 19 Ch PWM, 54 GPIO, 3.3 V, -40 to 105 degC, 100-Pin LQFP (PZ), Green (RoHS & no Sb/Br)", Frequency (MHz)=90, Manufacturer="Texas Instruments", Operating Temperature Range (degC)="-40 to 105", 12-bit A/D (#Channels)=16, CAP/QEP=7/2, CLA=1, ComponentLink1Description="Manufacturer URL", ComponentLink1URL=http://www.ti.com/, ComponentLink2Description=Datasheet, ComponentLink2URL=http://www.ti.com/lit/ds/symlink/tms320f28069.pdf, ComponentLink3Description="Package Specification", ComponentLink3URL=http://www.ti.com/lit/ds/symlink/tms320f28066.pdf, CPU=C28x, DatasheetVersion=SPRS698D, Eco Plan="Green (RoHS & no Sb/Br)", FPU=Yes, GPIO=54, IO Supply (V)=3.3, Mounting Technology="Surface Mount", PackageDescription="100-Pin Plastic Quad Flat Package, Body 14 x 14 mm, Pitch 0.5 mm", PackageReference=PZ0100A, PackageVersion=4040149/B, PartNumber=TMS320F28069PZT, Peak MMACS=90, PWM (Ch)=19, RAM (KB)=100, Timers="3 32-Bit GP 1 WD", USB=0, VCU=Yes
U4 U6 U7 U8: library part CMP-0192-00001-2, "SENSOR ANALOG -40C-125C TO92-3", Ambient Temperature Range High=+125°C, Ambient Temperature Range Low=-40°C, Manufacturer=Microchip, Max Junction Temp=+150°C, Max Supply Voltage=5.5V, Min Supply Voltage=2.3V, Operating Supply Current=6uA, Output Current=100uA, Output Voltage=500mV, Package=C04-101, Temperature="-40°C to +125°C", Automotive=No, Category=IC, ComponentLink2Description=Datasheet, ComponentLink2URL=http://ww1.microchip.com/downloads/en/DeviceDoc/20001942G.pdf, Device Class L1=Sensors, Device Class L2="Temperature and Humidity Sensors", Device Class L3=unset, Digikey Description="SENSOR ANALOG -40C-125C TO92-3", Footprint Url=http://ww1.microchip.com/downloads/en/DeviceDoc/3L_TO-92%20Plastic%20Transistor%20Outline_TO_C04-00101c.pdf, Height=5.334mm, Import Ts=1521170835, Ipc Land Pattern Name=TO-92, Lead Free=Yes, Manufacturer Part Number=MCP9700-E/TO, Mouser Description="Board Mount Temperature Sensors Lin Active Therm", Octopart=https://octopart.com/mcp9700-e%2Fto-microchip-668812, RoHS=TRUE, Sensor Output="Analog Voltage", Temperature Range High=+125°C, Temperature Range Low=-40°C
U5 U11: library part CMP-0187-00469-2, "1 MHz, Low-Power Operational Amplifier, 5-Pin SOT-23, Industrial Temperature, Tape and Reel", Code_IPC=SOT23-5, ComponentLink1Description="Manufacturer URL", ComponentLink1URL=http://www.microchip.com/, ComponentLink2Description=Datasheet, ComponentLink2URL=http://ww1.microchip.com/downloads/en/DeviceDoc/21733j.pdf, ComponentLink3Description="Package Specification", ComponentLink3URL=http://www.microchip.com/stellent/groups/techpub_sg/documents/packagingspec/en012702.pdf, DatasheetVersion="revJ, Nov-2009", PackageDescription="5-Lead Plastic Small Outline Transistor (OT) [SOT-23]", PackageReference=SOT-23-OT5, PackageVersion="revBB, Aug-2009", RevisionNote="URLs added."
U9: "Low Power Quad Operational Amplifier, 14-pin Narrow SOIC", Code_IPC=SOIC127P600-14, Code_JEDEC=MS-012AB, ComponentLink1Description="LM324 Datasheet", ComponentLink1URL=http://www.national.com/ds/LM/LM324.pdf, ComponentLink2Description="LM324 Web Page", ComponentLink2URL=http://www.national.com/pf/LM/LM324.html, ComponentLink3Description="M14A Package Page", ComponentLink3URL=http://www.national.com/packaging/folders/m14a.html
U12: library part CMP-1093-00004-1, "Step-Down DC/DC Controller, -40 to 150 degC, PG-DSO-14-1, Reel, Green", Manufacturer=Infineon, Tolerance=3%, ComponentLink1Description="Manufacturer URL", ComponentLink1URL=http://www.infineon.com/, ComponentLink2Description=Datasheet, ComponentLink2URL=http://www.infineon.com/dgdl/TLE6389-2-3_DS_21.pdf?folderId=db3a304412b407950112b408e8c90004&fileId=db3a304412b407950112b43641bf65a6&location=en.Products.Power_Management_ICs.DC_DC.DC_DC-Converter__Automotive_.DATASHEET.TLE6389-2-3_DS_21.pdf, ComponentLink3Description="Package Specification", ComponentLink3URL=http://www.infineon.com/dgdl/DCDC-Controller-IFX80471-Data-Sheet-V10-Infineon.pdf?folderId=db3a304314dca3890115039cf70d0bf0&fileId=db3a30432e398416012e487ec6e42599, DatasheetVersion="Rev. 2.1", Green=TRUE, Halogen-free=TRUE, IQ (max)="2,300 mA", Iq (typ)="130 uA", Mounting Technology="Surface Mount", Output="Buck Converter", PackageDescription="14-Pin Plastic (Green) Dual Small Outline Package, 8.65 x 3.9 mm Body, 1.27 mm Pitch", PackageReference=PG-DSO-14-1, PackageVersion=Apr-11, Packing=Reel, PartNumber="TLE6389-2G V50", VQ (max)=5V
U13: library part CMP-1305-00048-1, "Low Offset Voltage Dual Comparators, 2 to 36 V, 0 to 70 degC, 8-Pin SOIC, Pb-Free, Tape and Reel", Manufacturer="On Semiconductor", ComponentLink1Description="Manufacturer URL", ComponentLink1URL=http://www.onsemi.com/, ComponentLink2Description=Datasheet, ComponentLink2URL=http://www.onsemi.com/pub_link/Collateral/LM393-D.PDF, ComponentLink3Description="Package Specification", ComponentLink3URL=http://www.onsemi.com/pub_link/Collateral/751-07.PDF, DatasheetVersion="Rev. 25", ICC Typ (mA)=0.4, IO Typ (mA)=16, Mounting Technology="Surface Mount", PackageDescription="8-Pin Small Outline Integrated Circuit, Body 4.9 x 3.9 mm, Pitch 1.27 mm", PackageReference=SOIC-8-751-07, PackageVersion="Rev. AK, 02/2011", Packing="Tape and Reel", PartNumber=LM393DR2G, RoHS=TRUE, VCC Max (V)=36, VCC Min (V)=2
U14: library part FTDI-CMP28-0078-00029-3, "USB UART Asynchronous Serial Data Transfer Chip, 28-pin SSOP, Tape and Reel", PartNumber=FT232RL-Reel, ComponentLink1Description="Manufacturer URL", ComponentLink1URL=http://www.ftdichip.com/, ComponentLink2Description=Datasheet, ComponentLink2URL=http://www.ftdichip.com/Support/Documents/DataSheets/ICs/DS_FT232R.pdf, DatasheetVersion="ver 2.10, Mar-2012", Manufacturer=FTDI, PackageDescription="28-Pin Small Outline Package 0.65 mm Pitch", PackageReference=SSOP-28, PackageVersion=Mar-12, RevisionNote="DatasheetVersion updated to 2.10 Mar-2012"
U15 U16: library part GATE_DRIVER_2EDS8265HXUMA2, "2EDS8265HXUMA2 / Gate-Driver 8A", Case/Package="SOIC W", Manufacturer=Exar, Max Operating Temperature=70°C, Max Power Dissipation=1.26W, Max Supply Voltage=5.5V, Min Operating Temperature=0°C, Min Supply Voltage=3V, Nominal Supply Current=1mA, Package Quantity=41, Category="RS-232 / RS-422 / RS-485 Interface ICs", ComponentLink1Description=https://datasheet.ciiva.com/22828/0900766b81141d49-22828237.pdf?src-supplier=RSComponents, ComponentLink1URL=https://datasheet.ciiva.com/22828/0900766b81141d49-22828237.pdf?src-supplier=RSComponents, ComponentLink2Description=https://datasheet.ciiva.com/1715/sp3222eb-sp3232eb-103-081414-1715199.pdf?src-supplier=Digi-Key, ComponentLink2URL=https://datasheet.ciiva.com/1715/sp3222eb-sp3232eb-103-081414-1715199.pdf?src-supplier=Digi-Key, ComponentLink3Description=https://datasheet.ciiva.com/16380/sp3232ebca-l-16380121.pdf?src-supplier=Future+Electronics, ComponentLink3URL=https://datasheet.ciiva.com/16380/sp3232ebca-l-16380121.pdf?src-supplier=Future+Electronics, ComponentLink4Description=https://datasheet.ciiva.com/15208/getdatasheetpartid-558353-15208838.pdf?src-supplier=Verical, ComponentLink4URL=https://datasheet.ciiva.com/15208/getdatasheetpartid-558353-15208838.pdf?src-supplier=Verical, Height=2.55mm, Lead Free="Lead Free", Length=10.3mm, Logic Function=Transceiver, Manufacturer Part Number=2EDS8265HXUMA2, Number of Drivers=2, Number of I/Os=4, Number of Pins=16, Number of Receivers=2, Number of Transceivers=1, Number of Transmitters=2, Packaging=Rail/Tube, Propagation Delay=0.15us, Radiation Hardening=No, RoHS=Yes, Series=-, Supplier 1="Allied Electronics", Supply Current=1mA, Width=7.5mm
U18: library part ACS758LCB-CMP-82923-000254-1, "SENSOR CURRENT HALL 50A AC/DC", Current Sensing=50A, Frequency=120kHz, Max Operating Temperature=150°C, Max Supply Current=13.5mA, Max Supply Voltage=5.5V, Min Operating Temperature=-40°C, Min Supply Voltage=3V, Operating Supply Voltage=5V, Output Current=1mA, Package Quantity=34, Quiescent Current=10mA, Accuracy=2%, Bandwidth=120kHz, Height=7mm, Lead Free="Lead Free", Length=10mm, Linearity=1%, Mount="Through Hole", Number of Channels=1, Number of Pins=5, Packaging=Rail/Tube, Polarity=Bidirectional, Radiation Hardening=No, REACH SVHC="No SVHC", Response Time=4us, RoHS Compliant=Yes, Sensitivity=40mV/A, Series=-, Width=13mm
U22: library part CMP-0186-00101-2, "High-Speed CAN Transceiver, 8-Pin PDIP, Industrial Temperature", Code_JEDEC=MS-001, ComponentLink1Description="Manufacturer URL", ComponentLink1URL=http://www.microchip.com/, ComponentLink2Description=Datasheet, ComponentLink2URL=http://ww1.microchip.com/downloads/en/DeviceDoc/21667F.pdf, ComponentLink3Description="Package Specification", ComponentLink3URL=http://www.microchip.com/stellent/groups/techpub_sg/documents/packagingspec/en012702.pdf, DatasheetVersion="revF, Jul-2010", PackageDescription="8-Lead Plastic Dual In-Line (P) - 300 mil Body [PDIP]", PackageReference=PDIP300-P8, PackageVersion="revBB, Aug-2009", RevisionNote="URLs added. DatasheetVersion updated."

## Via types
v1: diameter 15, hole 8, Top Layer to Bottom Layer, 504 vias
v2: diameter 50, hole 28, Top Layer to Bottom Layer, 36 vias
v3: diameter 78, hole 20, Top Layer to Bottom Layer, 5 vias
v4: diameter 170, hole 140, Top Layer to Bottom Layer, 4 vias
v5: diameter 200, hole 165, Top Layer to Bottom Layer, 2 vias
v6: diameter 30, hole 20, Top Layer to Bottom Layer, 1 vias

## Nets (pads, with @x,y where several pads share a name; then routed paths per layer and width w, separated by ;. In a path a pad name is that pad's centre, name@x,y a point inside that pad or via, vN(x,y) a via of type N, cw(c..) or ccw(c..) an arc to the next point about the centre after c; other vN are vias at no path point)
0.19V: C67.1 R76.2 R77.1 U13.6 | length 1124.1
  Top Layer w10: U13.6@8975,3184.06 8975.26,3183.8 8975.26,3079.56 v1@8975.55,3079.28 ; C67.1@8995.52,2700.11 R76.2@8995.52,2859.89 ; v1(8995.55,2929.28) 8995.55,2860.11 R76.2@8995.63,2860.03 ; R77.1@8995.63,2560 8994.89,2560.74 8994.89,2699.26 C67.1@8995.63,2700
  Bottom Layer w10: v1(8975,3075) 8735.86,3075 8730,3069.14 8730,2935.13 8735.86,2929.28 v1(8995.55,2929.28)
1.5625V: 
1V8: C88.2 C89.2 C90.2 C91.2 C92.2 C93.2 C94.2 C95.2 C96.2 C97.2 C98.2 C99.2 U1.3 U1.14 U1.37 U1.63 U1.81 U1.91 | length 2943.4
  Top Layer w8: U1.3@9945.66,3202.07 v1@10017.56,3202.07 ; U1.14@9945.87,2985.32 10025.32,2985.32 10044.8,3004.8 v1(10045.2,3004.8) ; v1(10017.56,3206.9) v1@10017.56,3202.07 ; v1@10045,3005 10065,3025 10065,3160 v1(10050,3175) 10022.93,3202.07 v1@10017.56,3202.07 ; U1.91@10190,3309.13 10190,3244.89 10187,3241.89 v1(10187,3240) 10188.89,3240 10194.89,3234 10358.11,3234 10380.11,3256 v1(10382,3256) 10382,3257.89 10387.8,3263.69 U1.81@10387.8,3309.13 ; v1(10226.98,2767.98) 10226.98,2766.09 10230.06,2763.02 U1.37@10230.11,2700.87 U1.37@10230.11,2700.87 ; v1(10490,3005) 10490.25,3005.25 U1.63@10553.93,3005.25
  Bottom Layer w8: v1(10017.56,3206.9) 10078.08,3267.43 10167.57,3267.43 10177.06,3257.94 10177.06,3251.83 10187,3241.89 v1(10187,3240) ; v1(10050,3175) 10053.25,3175 10058.25,3180 C89.2@10105,3180 ; C93.2@10090,2795.63 10175,2795.63 C92.2@10180,2790.63 ; v1(10226.98,2767.98) 10250.77,2791.77 10250.77,2796.12 10265.95,2811.3 10285.24,2811.3 10372.94,2899 10375.06,2899 10393.81,2917.75 10422.75,2917.75 10431.31,2926.31 10431.31,2955.25 10450.06,2974 10459,2974 v1(10490,3005) 10510,3025 10510,3119.8 10439.94,3189.85 10439.94,3200.41 10420.36,3220
  Bottom Layer w10: C88.2@9959.37,3235 9989.46,3235 v1(10017.56,3206.9) ; v1@10045,3005 v1(10045.2,3004.8) ; C90.2@10065.63,3085 10065,3084.37 10065,3025 10045.2,3005.2 v1(10045.2,3004.8) ; C93.2@10090,2795.63 C93.2@10101.49,2784.14 ; C91.2@10105.63,2995 10095.83,3004.8 v1(10045.2,3004.8) ; C92.2@10180,2790.63 10190.79,2779.84 10214.73,2779.84 10226.59,2767.98 v1(10226.98,2767.98) ; C99.2@10265.63,3300 10265.63,3255.86 10271.49,3250 10374.65,3250 10380.65,3256 v1(10382,3256) ; C98.2@10300.63,3165 10305,3169.37 10305,3209.14 10310.86,3215 10360,3215 10382,3237 v1@10382,3253.5 ; C95.2@10384.37,2970 C94.2@10384.37,3070 ; 10385,3015 10479.14,3015 10489.14,3005 v1(10490,3005) ; C96.2@10470.63,3220 10420.36,3220 10386.86,3253.5 10385.85,3253.5 10383.35,3256 v1(10382,3256) ; C97.2@10475.63,3325 10420,3325 10400.29,3305.29 10400.29,3274.29 v1(10382,3256)
3.3V: C70.1 R82.2 R84.1 U13.3 | length 458.6
  Top Layer w10: C70.1@8975,3710 R82.2@8975,3859.18 ; U13.3@8979.37,3395.63 R84.1@8979.37,3555 C70.1@8979.37,3705